# Altium PCB BMS.PcbDoc (part 1 of 2) (continued)
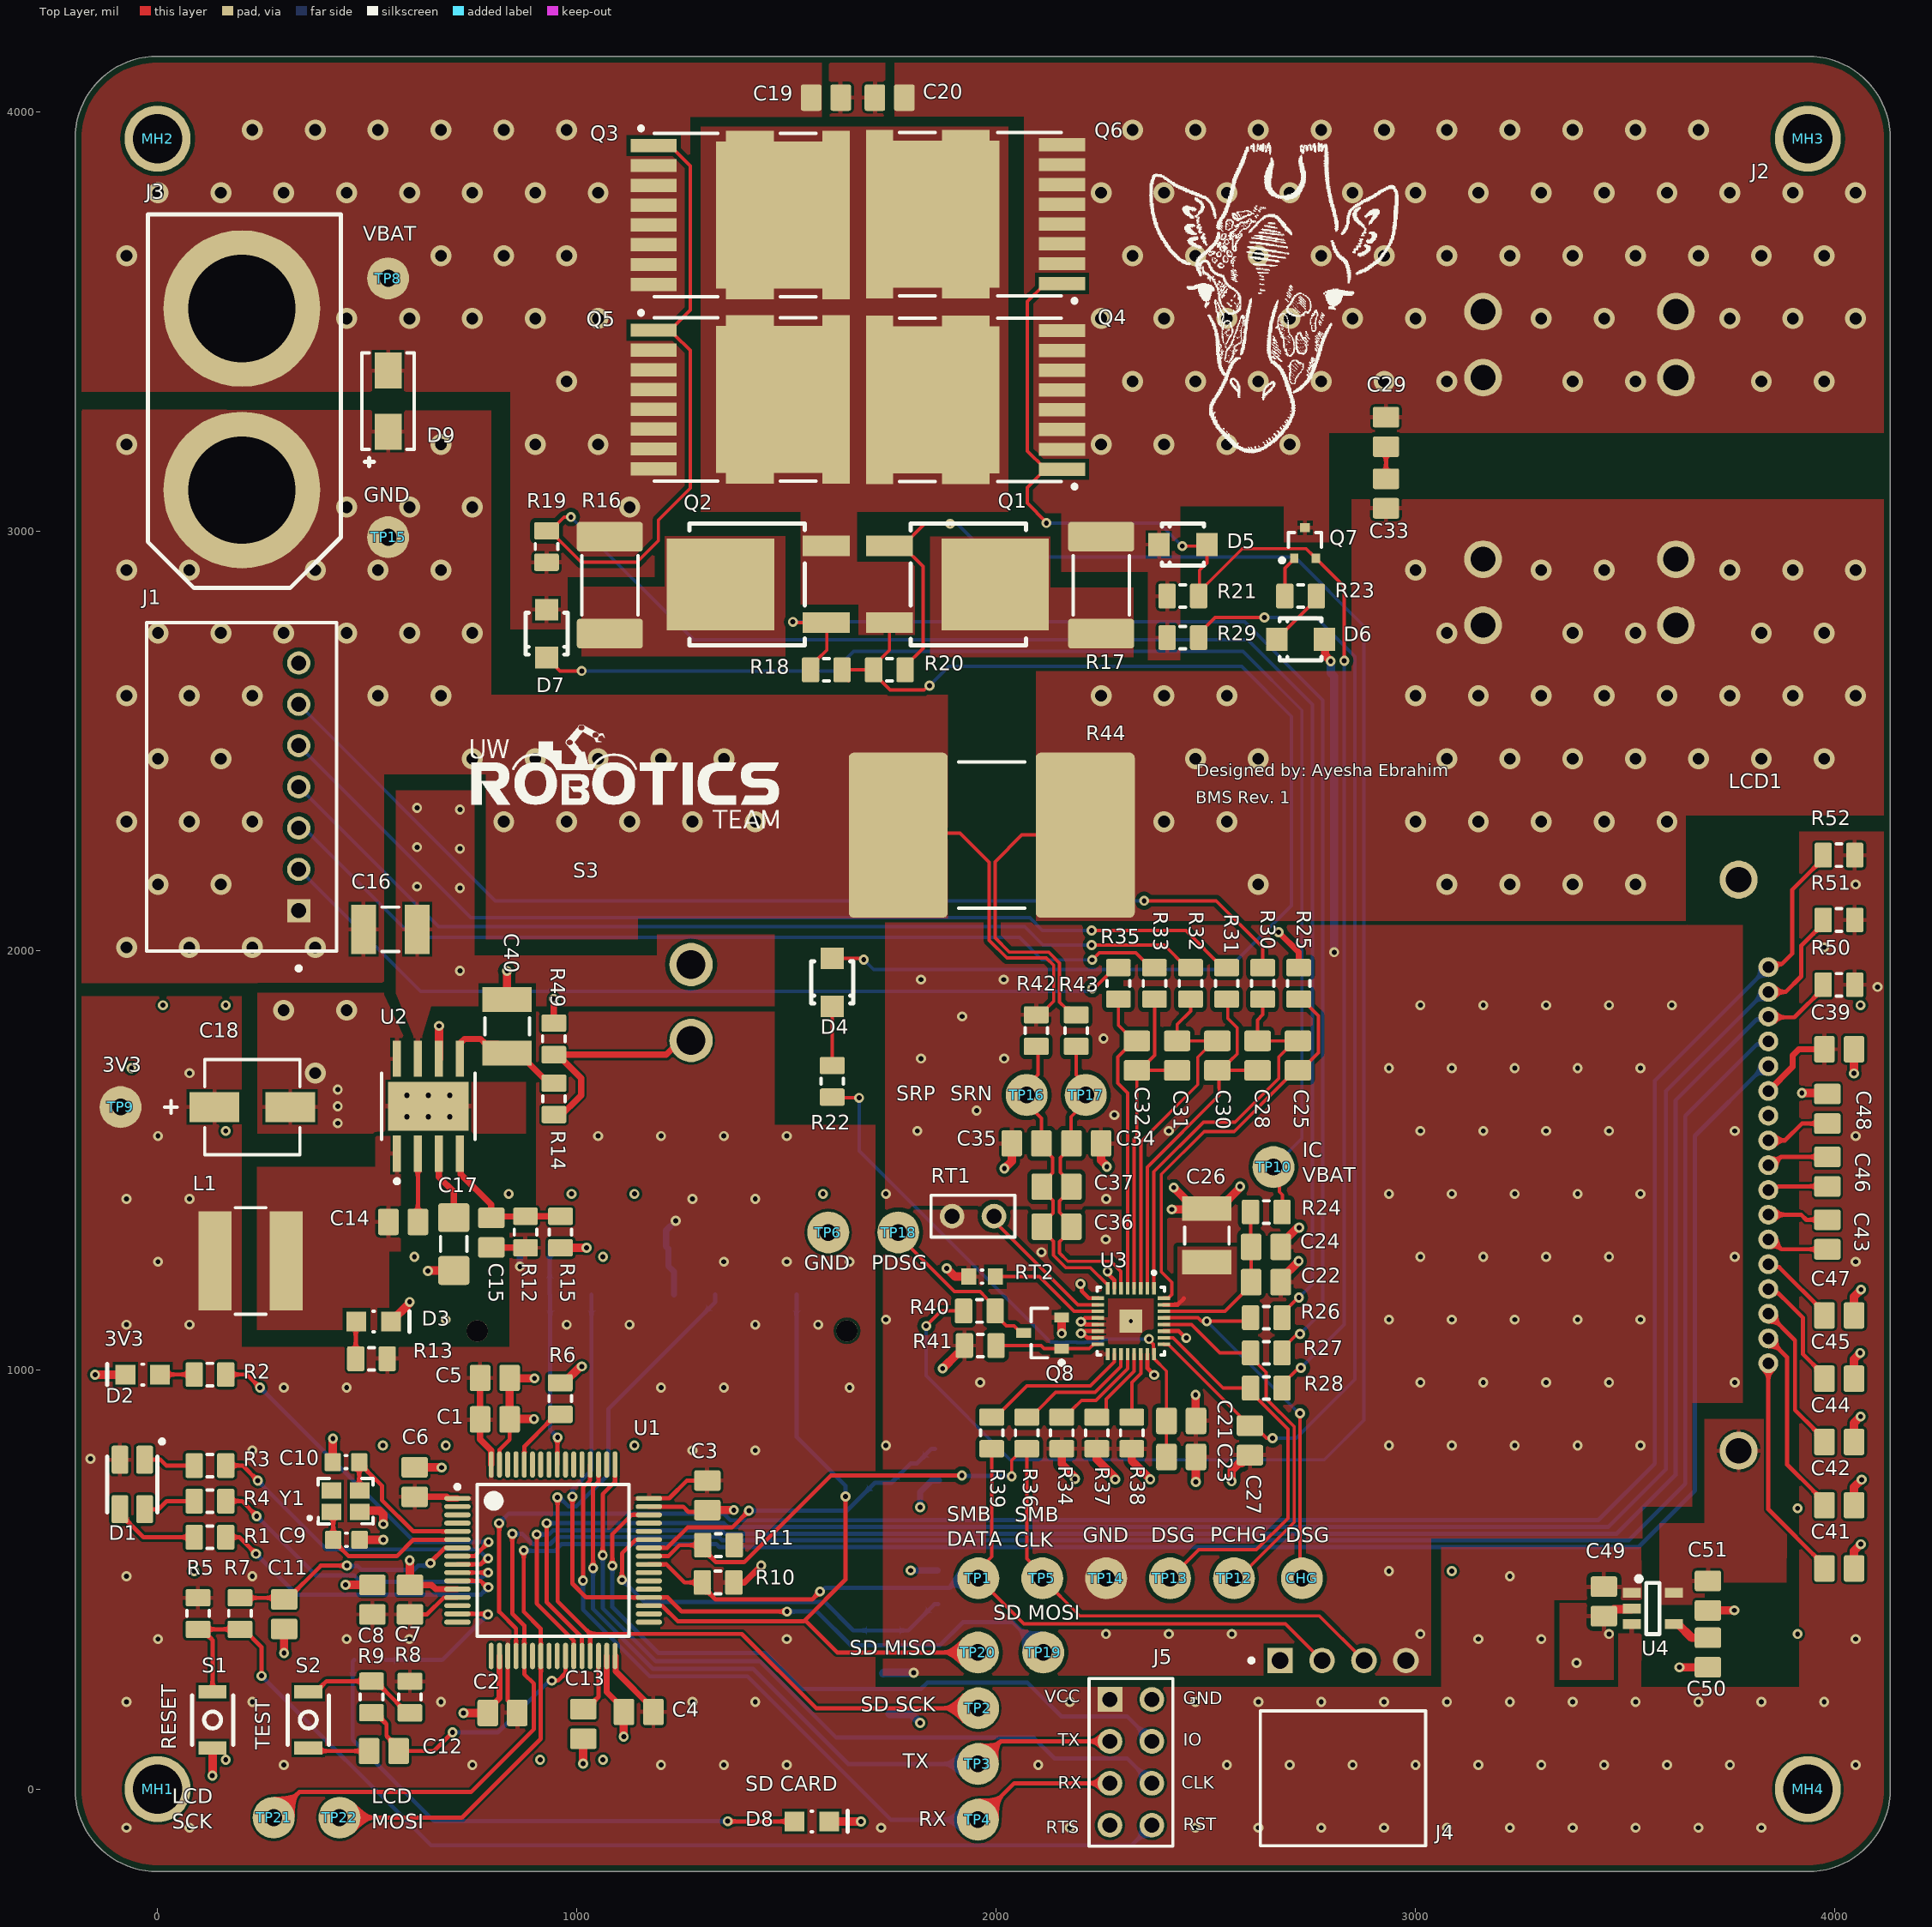
[diagram p0: Top Layer view]
## Part data (continued)
J1: "CONN HEADER XH SIDE 7POS 2.5MM", Color=Natural, Contact Resistance=10mR, Current Rating=3A, Flammability Rating="UL94 V-0", Insulation Resistance=1GR, Manufacturer 1="JST Sales America Inc.", Manufacturer Part Number 1=S7B-XH-A(LF)(SN), Max Operating Temperature=85°C, Min Operating Temperature=-25°C, Package Quantity=250, Supplier Part Number 1=455-2240-ND, Voltage Rating=250V, Category="Headers and Wire Housings", ComponentLink1Description=https://datasheet.ciiva.com/726/exh-726397.pdf?src-supplier=Digi-Key, ComponentLink1URL=https://datasheet.ciiva.com/726/exh-726397.pdf?src-supplier=Digi-Key, ComponentLink2Description=https://datasheet.ciiva.com/8052/5448-8052233.pdf?src-supplier=Element14, ComponentLink2URL=https://datasheet.ciiva.com/8052/5448-8052233.pdf?src-supplier=Element14, ComponentLink3Description=https://datasheet.ciiva.com/16484/exh-16484539.pdf?src-supplier=Future+Electronics, ComponentLink3URL=https://datasheet.ciiva.com/16484/exh-16484539.pdf?src-supplier=Future+Electronics, Connector Type="Header,Male Pin", Contact Material=Brass, Contact Plating=Tin,Lead, Contact Shape=Square, Fastening Type=Detent, Gender=Male, Insulation Color=Natural, Insulation Material=Nylon, Lead Free="Lead Free", Lead Pitch=2.5mm, Mount="Through Hole", Number of Contacts=7, Number of Positions=7, Number of Rows=1, Orientation="Right Angle", Packaging=Bulk, Pitch=2.5mm, Pricing 2="10=1.05000, 100=0.92700, 500=0.83300, 1000=0.81300, 5000=0.74700, 10000=0.69900 (CAD)", REACH SVHC="No SVHC", RoHS=Yes, Supplier 1=Digi-Key, Termination=Solder, Voltage Rating (AC)=250V, Wire/Cable Gauge=22AWG
J2: "CONN TERM BLOCK 2POS 15MM 1-8AWG", Color=Black, Current=115A, Manufacturer 1=Molex, Manufacturer Part Number 1=0399200302, Max Operating Temperature=130°C, Max Supply Voltage (AC)=600V, Min Operating Temperature=-40°C, Supplier Part Number 1=WM20114-ND, Category="Terminal Blocks", ComponentLink1Description=https://datasheet.ciiva.com/6751/399200305-sd-6751818.pdf?src-supplier=Digi-Key, ComponentLink1URL=https://datasheet.ciiva.com/6751/399200305-sd-6751818.pdf?src-supplier=Digi-Key, Contact Material=Copper, Contact Plating=Copper,Tin,Bright, Depth=20.32mm, Housing Color=Black, Housing Material=Polybutylene, Length=32mm, Max Voltage Rating (AC)=600V, Mount="Through Hole", Number of Circuits=2, Number of Contacts=2, Number of Levels=1, Number of Positions Per Level=2, Number of Rows=1, Orientation=Straight, Packaging=Bulk, Pitch=0.591inch, Plating=Brass,Bronze,Tin, Pricing 2="1=9.66000, 10=8.27400, 25=7.89600, 50=7.09800, 100=6.72000, 250=6.09000, 500=5.67000, 1000=5.35500, 5000=5.04000 (USD)", Radiation Hardening=No, RoHS=Yes, Stock 2=268, Supplier 1=Digi-Key, Termination=Solder, Voltage=600V, Wire Gauge (Max)=8AWG, Wire Gauge (Min)=1AWG
J3: "HIGH QUALITY GOLD PLATED XT90 MA", Manufacturer 1=DFRobot, Manufacturer Part Number 1=FIT0588, Supplier Part Number 1=1738-1438-ND, Supplier 1=Digi-Key
J4: "CONN HEADER R/A 4POS 2.54MM", Color=White, Contact Resistance=10mR, Current Rating=4A, Flammability Rating="UL94 V-0", Insulation Resistance=50GR, Manufacturer 1=Molex, Manufacturer Part Number 1=22-05-3041, Max Operating Temperature=75°C, Min Operating Temperature=0°C, Package Quantity=12000, Supplier Part Number 1=WM4302-ND, Voltage Rating=250V, Approvals=UL,CSA, Category="Headers and Wire Housings", ComponentLink1Description=https://datasheet.ciiva.com/7106/1710343-7106224.pdf?src-supplier=Newark, ComponentLink1URL=https://datasheet.ciiva.com/7106/1710343-7106224.pdf?src-supplier=Newark, ComponentLink2Description=https://datasheet.ciiva.com/19462/233453-19462483.pdf?src-supplier=Jameco, ComponentLink2URL=https://datasheet.ciiva.com/19462/233453-19462483.pdf?src-supplier=Jameco, ComponentLink3Description=https://datasheet.ciiva.com/10090/0022053041-pcb-headers-10090549.pdf?src-supplier=Avnet, ComponentLink3URL=https://datasheet.ciiva.com/10090/0022053041-pcb-headers-10090549.pdf?src-supplier=Avnet, ComponentLink4Description=https://datasheet.ciiva.com/5153/0022053041-pcb-headers-158631-5153963.pdf?src-supplier=Mouser, ComponentLink4URL=https://datasheet.ciiva.com/5153/0022053041-pcb-headers-158631-5153963.pdf?src-supplier=Mouser, ComponentLink5Description=https://datasheet.ciiva.com/11746/0900766b80d8f337-11746364.pdf?src-supplier=RSComponents, ComponentLink5URL=https://datasheet.ciiva.com/11746/0900766b80d8f337-11746364.pdf?src-supplier=RSComponents, ComponentLink6Description=https://datasheet.ciiva.com/3933/302090022053041-pcb-headers-3933101.pdf?src-supplier=Arrow, ComponentLink6URL=https://datasheet.ciiva.com/3933/302090022053041-pcb-headers-3933101.pdf?src-supplier=Arrow, ComponentLink7Description=https://datasheet.ciiva.com/19462/1965841-19462350.pdf?src-supplier=Jameco, ComponentLink7URL=https://datasheet.ciiva.com/19462/1965841-19462350.pdf?src-supplier=Jameco, ComponentLink8Description=https://datasheet.ciiva.com/7843/1631486-7843895.pdf?src-supplier=Element14, ComponentLink8URL=https://datasheet.ciiva.com/7843/1631486-7843895.pdf?src-supplier=Element14, ComponentLink9Description=https://datasheet.ciiva.com/16656/0022053041-pcb-headers-16656124.pdf?src-supplier=Avnet+Europe, ComponentLink9URL=https://datasheet.ciiva.com/16656/0022053041-pcb-headers-16656124.pdf?src-supplier=Avnet+Europe, Contact Gender=Male, Contact Material=Brass, Contact Plating=Tin,Copper, Depth=12.83mm, Gender=Male, Glow Wire Compliant=Non-compliant, Halogen Free="Low Halogen", Height=6.35mm, Housing Color=White, Housing Material=Nylon, Lead Free="Lead Free", Length=10.16mm, Max Current Rating=4A, Mount="Through Hole", Number of Circuits=4, Number of Contacts=4, Number of Positions=4, Number of Rows=1, Orientation="Right Angle", Packaging=Bulk, Pitch=2.54mm, Pricing 2="1=0.51000, 10=0.47800, 100=0.36620, 500=0.31840, 1000=0.26268, 5000=0.23084, 10000=0.21492 (USD)", Radiation Hardening=No, REACH SVHC=Unknown, RoHS=Yes, Stock 2=1752, Supplier 1=Digi-Key, Termination="Through Hole", Voltage Rating (DC)=250V
J5: "CONN HEADER VERT 8POS 2.54MM", Manufacturer 1="Harwin Inc.", Manufacturer Part Number 1=M20-9980445, Supplier Part Number 1=952-2122-ND, Mount="Through Hole", Supplier 1=Digi-Key
J6: "12 _9 + 3_ Position Card Connector Secure Digital - SD Surface Mount, Right Angle Gold", Manufacturer 1="Hirose Electric Co Ltd", Manufacturer Part Number 1=DM1AA-SF-PEJ(21), Supplier Part Number 1=HR845CT-ND, Card Type=SD, Mount="Surface Mount", Supplier 1=Digi-Key
L1: library part IND_15uH_1.9A, "FIXED IND 15UH 1.9A 95.8MOHM SMD", Case/Package=Nonstandard, Current Rating=1.9A, DC Resistance (DCR)=95.8mR, Inductance=15uH, Inductance Tolerance=20%, Manufacturer 1="Bourns Inc.", Max Operating Temperature=125°C, Min Operating Temperature=-40°C, Package Quantity=1000, Saturation Current=2.3A, Self Resonant Frequency=13MHz, Supplier Part Number 1=SRN6045-150MCT-ND, Test Frequency=100kHz, Category="Fixed Inductors", ComponentLink1Description=https://datasheet.ciiva.com/5986/1705518-5986195.pdf?src-supplier=Farnell, ComponentLink1URL=https://datasheet.ciiva.com/5986/1705518-5986195.pdf?src-supplier=Farnell, ComponentLink2Description=https://datasheet.ciiva.com/11802/0900766b80fe1f3e-11802573.pdf?src-supplier=RSComponents, ComponentLink2URL=https://datasheet.ciiva.com/11802/0900766b80fe1f3e-11802573.pdf?src-supplier=RSComponents, ComponentLink3Description=https://datasheet.ciiva.com/1056/srn6045-1056107.pdf?src-supplier=Digi-Key, ComponentLink3URL=https://datasheet.ciiva.com/1056/srn6045-1056107.pdf?src-supplier=Digi-Key, ComponentLink4Description=https://datasheet.ciiva.com/8512/srn6045-8512989.pdf?src-supplier=Avnet, ComponentLink4URL=https://datasheet.ciiva.com/8512/srn6045-8512989.pdf?src-supplier=Avnet, ComponentLink5Description=https://datasheet.ciiva.com/17113/70231653-17113165.pdf?src-supplier=Allied+Electronics, ComponentLink5URL=https://datasheet.ciiva.com/17113/70231653-17113165.pdf?src-supplier=Allied+Electronics, ComponentLink6Description=https://datasheet.ciiva.com/17284/srn6045-17284750.pdf?src-supplier=Avnet+Europe, ComponentLink6URL=https://datasheet.ciiva.com/17284/srn6045-17284750.pdf?src-supplier=Avnet+Europe, ComponentLink7Description=https://datasheet.ciiva.com/4954/srn6045-70649-4954231.pdf?src-supplier=Mouser, ComponentLink7URL=https://datasheet.ciiva.com/4954/srn6045-70649-4954231.pdf?src-supplier=Mouser, ComponentLink8Description=https://datasheet.ciiva.com/1056/srn6045-1056106.pdf?src-supplier=Digi-Key, ComponentLink8URL=https://datasheet.ciiva.com/1056/srn6045-1056106.pdf?src-supplier=Digi-Key, ComponentLink9Description=https://datasheet.ciiva.com/1056/srn6045-1056108.pdf?src-supplier=Digi-Key, ComponentLink9URL=https://datasheet.ciiva.com/1056/srn6045-1056108.pdf?src-supplier=Digi-Key, Composition=Wirewound, Core Material=Ferrite, DC Current=1.9A, Depth=6.2mm, Height=4.5mm, Height - Seated (Max)=0.177inch, Length=6mm, Manufacturer Part Number 1=SRN6045-150M, Max DC Current=1.9A, Military Standard=Not, Mount="Surface Mount", Number of Pins=2, Packaging="Tape and Reel", Pricing 1="1=0.60000, 10=0.52300, 100=0.37380, 500=0.31396 (USD)", REACH SVHC="No SVHC", RMS Current (Irms)=1.9A, RoHS=Yes, Shielding=Shielded, Stock 1=16841, Supplier 1=Digi-Key, Termination=SMD/SMT, Tolerance=20%, Weight=0.027725oz, Width=6mm
LCD1: "LCD COG GRAPHIC 128X32", Manufacturer 1="Newhaven Display Intl", Supplier Part Number 1=NHD-C12832A1Z-FSW-FBW-3V3-ND, Manufacturer Part Number 1=NHD-C12832A1Z-FSW-FBW-3V3, Supplier 1=Digi-Key
MH1 MH2 MH3 MH4: "6cm x 6cm"
Q1 Q2: "MOSFET P-CH 40V 40A TO252", Manufacturer 1="Alpha & Omega Semiconductor Inc.", Manufacturer Part Number 1=AOD4189, Power Dissipation (Max)=62.5W, Supplier Device Package="D-PAK (TO-252)", Supplier Part Number 1=785-1351-1-ND, FET Type=P-Channel, Id=40A, Supplier 1=Digi-Key, Vdss=40V, Vgs (Max)=20V
Q3 Q4 Q5 Q6: "MOSFET N-CH 100V 210A POWER56", Manufacturer 1="ON Semiconductor", Manufacturer Part Number 1=FDBL0240N100, Power Dissipation (Max)=300W, Supplier Device Package=8-HPSOF, Supplier Part Number 1=FDBL0240N100CT-ND, FET Type=N-Channel, Id=210A, Supplier 1=Digi-Key, Vdss=100V, Vgs (Max)=20V
Q7: "NMOS N-CH 60V 310mA SOT-323", Manufacturer 1=Nexperia, Manufacturer Part Number 1=2N7002BKW,115, Supplier Part Number 1=1727-4788-1-ND, ComponentLink1Description=https://www.mouser.com/ds/2/302/2N7002BKW-1150600.pdf?src-supplier=Mouser, ComponentLink1URL=https://www.mouser.com/ds/2/302/2N7002BKW-1150600.pdf?src-supplier=Mouser, ComponentLink2Description=http://www.farnell.com/datasheets/1322445.pdf?src-supplier=Farnell, ComponentLink2URL=http://www.farnell.com/datasheets/1322445.pdf?src-supplier=Farnell, ComponentLink3Description=https://assets.nexperia.com/documents/data-sheet/2N7002BKW.pdf?src-supplier=Digi-Key, ComponentLink3URL=https://assets.nexperia.com/documents/data-sheet/2N7002BKW.pdf?src-supplier=Digi-Key, ComponentLink4Description=http://www.farnell.com/datasheets/1322445.pdf?src-supplier=Newark, ComponentLink4URL=http://www.farnell.com/datasheets/1322445.pdf?src-supplier=Newark, Id=310mA, Pricing 1="1=0.36000, 10=0.29600, 25=0.24760, 100=0.12100, 250=0.11908, 500=0.10092, 1000=0.07013 (USD)", RoHS=No, Stock 1=127361, Supplier 1=Digi-Key
Q8: "NMOS N-CH 50V 200mA 1.2V DRIVE SOT-23-3", Manufacturer 1="Rohm Semiconductor", Manufacturer Part Number 1=RUC002N05HZGT116, Supplier Part Number 1=RUC002N05HZGT116CT-ND, Id=200mA, Supplier 1=Digi-Key
R1 R4: "RES SMD 20 OHM 1% 1/8W 0805", Case Code (Imperial)=0805, Case Code (Metric)=2012, Manufacturer 1=Yageo, Manufacturer Part Number 1=RC0805FR-0720RL, Max Operating Temperature=155°C, Min Operating Temperature=-55°C, Power Rating=125mW, Resistance=20, Supplier Part Number 1=311-20.0CRCT-ND, Tolerance=1%, Supplier 1=Digi-Key, Termination=SMD/SMT
R2 R3 R13 R24 R25 R30 R31 R32 R33 R35 R36 R39 R42 R43 R47: "RES SMD 100 OHM 1% 1/8W 0805", Case Code (Imperial)=0805, Case Code (Metric)=2012, Manufacturer 1=Yageo, Manufacturer Part Number 1=RC0805FR-07100RL, Power Rating=125mW, Supplier Part Number 1=311-100CRCT-ND, Mount="Surface Mount", Supplier 1=Digi-Key
R5 R6 R7 R8 R9 R23 R27 R34 R37 R38 R45 R46 R48 R50 R51 R52: "RES SMD 10K OHM 1% 1/8W 0805", Case Code (Imperial)=0805, Case Code (Metric)=2012, Manufacturer 1=Yageo, Manufacturer Part Number 1=RC0805FR-0710KL, Max Operating Temperature=155°C, Min Operating Temperature=-55°C, Power Rating=125mW, Resistance=10K, Supplier Part Number 1=311-10.0KCRCT-ND, Tolerance=1%, Supplier 1=Digi-Key, Termination=SMD/SMT
R10 R11 R26 R28: "RES SMD 1K OHM 1% 1/8W 0805", Case Code (Imperial)=0805, Case Code (Metric)=2012, Manufacturer 1=Yageo, Manufacturer Part Number 1=RC0805FR-071KL, Max Operating Temperature=155°C, Min Operating Temperature=-55°C, Power Rating=125mW, Resistance=1K, Supplier Part Number 1=311-1.00KCRCT-ND, Tolerance=1%, Supplier 1=Digi-Key, Termination=SMD/SMT
R12: "RES SMD 51K OHM 1% 1/8W 0805", Case Code (Imperial)=0805, Case Code (Metric)=2012, Manufacturer 1="Vishay Dale", Manufacturer Part Number 1=CRCW080551K0FKEA, Max Operating Temperature=155°C, Min Operating Temperature=-55°C, Power Rating=125mW, Resistance=51K, Supplier Part Number 1=541-51.0KCCT-ND, Tolerance=1%, Supplier 1=Digi-Key, Termination=SMD/SMT
R14: library part RES_1kΩ_0805, "RES SMD 1K OHM 1% 1/8W 0805", Case Code (Imperial)=0805, Case Code (Metric)=2012, Manufacturer 1=Yageo, Manufacturer Part Number 1=RC0805FR-071KL, Max Operating Temperature=155°C, Max Power Dissipation=125mW, Min Operating Temperature=-55°C, Package="0805 (2012 Metric)", Resistance=1K, Supplier Part Number 1=311-1.00KCRCT-ND, Temperature Coefficient=25ppm/°C, Tolerance=1%, Voltage Rating=150V, Case/Package=0805, Composition="Thin Film", Contact Plating=Tin, Depth=1.25mm, Features="Moisture Resistant,Automotive AEC-Q200,Anti-Sulfur", Height=0.022inch, Length=2mm, Military Standard=Not, Mount="Surface Mount", Number of Pins=2, Number of Terminations=2, Power Rating=125mW, REACH SVHC=Unknown, Supplier 1=Digi-Key, Termination=SMD/SMT, Voltage Rating (DC)=150V, Weight=0.000194oz, Width=0.049inch
R15: "RES SMD 22.1K OHM 1% 1/8W 0805", Case Code (Imperial)=0805, Case Code (Metric)=2012, Manufacturer 1="Vishay Dale", Manufacturer Part Number 1=CRCW080522K1FKEA, Max Operating Temperature=155°C, Min Operating Temperature=-55°C, Power Rating=125mW, Resistance=22.1kΩ, Supplier Part Number 1=541-22.1KCCT-ND, Tolerance=1%, Supplier 1=Digi-Key, Termination=SMD/SMT
R16 R17: "RES 200 OHM 5% 1W 2512", Manufacturer 1="Stackpole Electronics Inc", Manufacturer Part Number 1=RMCF2512JT200R, Package=2512, Supplier Part Number 1=RMCF2512JT200RCT-ND, Tolerance=5%, Dimensions="0.250\" L x 0.125\" W (6.35mm x 3.18mm)", Mount="Surface Mount", Supplier 1=Digi-Key
R18 R19 R20 R21 R40 R41: "RES SMD 10M OHM 5% 1/8W 0805", Case Code (Imperial)=0805, Case Code (Metric)=2012, Manufacturer 1=Yageo, Manufacturer Part Number 1=RC0805JR-0710ML, Package="0805 (2012 Metric)", Supplier Part Number 1=311-10MARCT-ND, Tolerance=5%, Mount="Surface Mount", Supplier 1=Digi-Key
R22: "RES SMD 510 OHM 1% 1/8W 0805", Case Code (Imperial)=0805, Case Code (Metric)=2012, Manufacturer 1=Yageo, Manufacturer Part Number 1=RC0805FR-07510RL, Max Operating Temperature=155°C, Min Operating Temperature=-55°C, Power Rating=125mW, Resistance=510R, Supplier Part Number 1=311-510CRCT-ND, Tolerance=1%, Supplier 1=Digi-Key, Termination=SMD/SMT
R29: "RES SMD 1.1K OHM 1% 1/8W 0805", Case Code (Imperial)=0805, Case Code (Metric)=2012, Manufacturer 1=Yageo, Manufacturer Part Number 1=RC0805FR-071K1L, Max Operating Temperature=155°C, Min Operating Temperature=-55°C, Power Rating=125mW, Resistance=1K1, Supplier Part Number 1=311-1.10KCRCT-ND, Tolerance=1%, Mount="Surface Mount", Supplier 1=Digi-Key, Termination=SMD/SMT
R44: "RES 0.001 OHM 1% 10W 5931", Manufacturer 1="Vishay Dale", Manufacturer Part Number 1=WSLP59311L000FEA, Package=5931, Supplier Part Number 1=541-10012-1-ND, Tolerance=1%, Dimensions="0.591\" L x 0.305\" W (15.00mm x 7.75mm)", Mount="Surface Mount", Supplier 1=Digi-Key
R49: "RES SMD 10K OHM 1% 1/8W 0805", Case Code (Imperial)=0805, Case Code (Metric)=2012, Manufacturer 1=Yageo, Manufacturer Part Number 1=RC0805FR-0710KL, Max Operating Temperature=155°C, Min Operating Temperature=-55°C, Package="0805 (2012 Metric)", Power Rating=125mW, Resistance=10K, Supplier Part Number 1=311-10.0KCRCT-ND, Tolerance=1%, Supplier 1=Digi-Key, Termination=SMD/SMT
RT1: "THERMISTOR NTC 10KOHM 3380K BEAD", Case/Package=Radial, Current Rating=120uA, Manufacturer 1=Murata, Manufacturer Part Number 1=NXFT15XH103FA2B100, Max Operating Temperature=125°C, Max Power Dissipation=100mW, Min Operating Temperature=-40°C, Package Quantity=1000, Power Rating=7.5mW, Resistance=10k, Supplier Part Number 1=490-5630-ND, Tolerance=1%, Category="Interface ICs", ComponentLink1Description=https://datasheet.ciiva.com/2849/r44e-2849356.pdf?src-supplier=Digi-Key, ComponentLink1URL=https://datasheet.ciiva.com/2849/r44e-2849356.pdf?src-supplier=Digi-Key, ComponentLink2Description=https://datasheet.ciiva.com/3282/r44e-3282445.pdf?src-supplier=Avnet, ComponentLink2URL=https://datasheet.ciiva.com/3282/r44e-3282445.pdf?src-supplier=Avnet, Lead Diameter=0.3mm, Mount="Free Hanging,Through Hole", Number of Pins=2, Packaging=Bulk, Pricing 1="1=0.91000, 5=0.86400, 10=0.75200, 25=0.66080, 50=0.54900, 100=0.46760, 500=0.40660, 1000=0.35578, 5000=0.31512 (USD)", RoHS=Yes, Stock 1=19053, Supplier 1=Digi-Key, Termination=Wire
RT2: "THERMISTOR NTC 10K 1% OHM 0603", Case Code (Imperial)=0603, Case Code (Metric)=1608, Manufacturer 1=TDK, Manufacturer Part Number 1=NTCG163JF103FT1, Max Operating Temperature=125°C, Min Operating Temperature=-40°C, Package Quantity=4000, Resistance=10k, Supplier Part Number 1=445-2554-1-ND, Tolerance=1%, Accuracy=1%, Case/Package=0603, ComponentLink1Description=https://datasheet.ciiva.com/11822/0900766b80feea16-11822415.pdf?src-supplier=RSComponents, ComponentLink1URL=https://datasheet.ciiva.com/11822/0900766b80feea16-11822415.pdf?src-supplier=RSComponents, ComponentLink2Description=https://datasheet.ciiva.com/2848/ntcg163jf103ft1-web-2848612.pdf?src-supplier=Digi-Key, ComponentLink2URL=https://datasheet.ciiva.com/2848/ntcg163jf103ft1-web-2848612.pdf?src-supplier=Digi-Key, ComponentLink3Description=https://datasheet.ciiva.com/2848/ntcg163jf103ft1-web-2848610.pdf?src-supplier=Digi-Key, ComponentLink3URL=https://datasheet.ciiva.com/2848/ntcg163jf103ft1-web-2848610.pdf?src-supplier=Digi-Key, ComponentLink4Description=https://datasheet.ciiva.com/2848/ntcg163jf103ft1-web-2848611.pdf?src-supplier=Digi-Key, ComponentLink4URL=https://datasheet.ciiva.com/2848/ntcg163jf103ft1-web-2848611.pdf?src-supplier=Digi-Key, Depth=0.8mm, Height=0.8mm, Lead Free="Lead Free", Length=1.6mm, Mount="Surface Mount", Number of Pins=2, Packaging="Tape and Reel", Pricing 1="1=0.25000, 5=0.23600, 10=0.20900, 25=0.19240, 50=0.15400, 100=0.13200, 500=0.11550, 1000=0.09900 (USD)", Radiation Hardening=No, RoHS=Yes, Stock 1=94107, Supplier 1=Digi-Key
S1 S2: "Tactile Switch (Grey)", Manufacturer 1="Omron Electronics Inc-EMC Div", Manufacturer Part Number 1=B3U-1000P, Supplier Part Number 1=SW1020CT-ND, Mount="Surface Mount", Supplier 1=Digi-Key
S3: "SWITCH SLIDE SPST 500mA (DC) 8.5A (AC) 125V", Current Rating=500mA, Manufacturer 1="CW Industries", Supplier Part Number 1=CWI333-ND, Voltage Rating=125V, Manufacturer Part Number 1=GF-123-0054, Supplier 1=Digi-Key
U1: library part MCU_STM32F446RET6, "ARM Cortex-M4 32-bit MCU+FPU, 512 KB Flash, 128 KB Internal RAM, 50 I/Os, 64-Pin LQFP, -40 to 85 degC, Tray", I/Os (High Current)=50, Operating Frequency(F) (Processor speed) (MHz)=180, Package Description=LQFP64, Package Reference="64-Pin Low-profile Quad Flat Package, Body 10 x 10 mm, Pitch 0.5 mm", Supplier Part Number 1=497-15376-ND, Supply Voltage(Vcc) min (V)=1.7, ComponentLink1Description="Manufacturer URL", ComponentLink1URL=http://www.st.com/, ComponentLink2Description=Datasheet, ComponentLink2URL=http://www.st.com/st-web-ui/static/active/en/resource/technical/document/datasheet/DM00141306.pdf, Core="ARM Cortex-M4", D/A Converter=2, DatasheetVersion="Rev. 6", FLASH Size (Prog) (kB)=512, Internal RAM Size (kB)=128, Mounting Technology="Surface Mount", Packing=Tray, Supplier 1=Digi-Key
U2: library part BUCK_1-28VOUT_1A, "IC REG BUCK ADJUSTABLE 1A 8SOPWR", Manufacturer 1="Texas Instruments", Max Junction Temp=+125°C, Max Supply Voltage=36V, Min Supply Voltage=4V, Nominal Supply Current=75uA, Output Current=1A, Output Voltage=1-28V, Package=DDA0008E, Supplier Part Number 1=296-47267-1-ND, Switching Frequency=400kHz, Temperature="-40°C to +125°C", Temperature Range Low=-40°C, Automotive=No, Category=IC, ComponentLink2Description=Datasheet, ComponentLink2URL=http://www.ti.com/lit/ds/symlink/lmr23610.pdf, Device Class L1="Integrated Circuits (ICs)", Device Class L2="Power Management ICs", Device Class L3="Voltage Regulators - Switching", Digikey Description="IC REG BUCK ADJUSTABLE 1A 8SOPWR", Height=1.7mm, Lead Free=Yes, Manufacturer Part Number 1=LMR23610ADDAR, Max Duty Cycle=97%, Number Of Outputs=1, Octopart=https://octopart.com/lmr23610addar-texas+instruments-68058948, Output Type=AdjustableProgrammable, RoHS=TRUE, Standoff Height=0mm, Supplier 1=Digi-Key, Switching Topology=Buck, Temperature Range High=+125°C
U3: library part BATT_MANAGER, "POWER MANAGEMENT IC: Battery Multi-Function Controller IC Lithium Ion/Polymer 32-VQFN (4x4)", Manufacturer 1="Texas Instruments", Supplier Part Number 1=296-BQ40Z80RSMTCT-ND, Manufacturer Part Number 1=BQ40Z80RSMT, SnapEDA_Link=https://www.snapeda.com/parts/BQ40Z80RSMT/Texas%20Instruments/view-part/2782044/?ref=snap, Supplier 1=Digi-Key
U4: "IC REG LINEAR 3V 150MA SOT23-5", Current Output=150mA, Manufacturer 1="Texas Instruments", Supplier Part Number 1=LP3985IM5-3.0/NOPBTR-ND, Manufacturer Part Number 1=LP3985IM5-3.0/NOPB, Mount="Surface Mount", Supplier 1=Digi-Key
Y1: "CRYSTAL 25.0000MHZ 12PF SMD", Case/Package=SMD/SMT, ESR (Equivalent Series Resistance)=80R, Frequency=25MHz, Frequency Stability=15ppm, Frequency Tolerance=10ppm, Load Capacitance=12pF, Manufacturer 1="Kyocera AVX", Manufacturer Part Number 1=CX2520DB25000H0FLJC1, Max Operating Temperature=85°C, Min Operating Temperature=-30°C, Ratings=AEC-Q200, Supplier Part Number 1=1253-1724-1-ND, ComponentLink1Description=https://media.digikey.com/pdf/Data%20Sheets/AVX%20PDFs/CX2520DB_USY1M-H1-16429-00_Spec.pdf?src-supplier=Digi-Key, ComponentLink1URL=https://media.digikey.com/pdf/Data%20Sheets/AVX%20PDFs/CX2520DB_USY1M-H1-16429-00_Spec.pdf?src-supplier=Digi-Key, Height=0.022inch, Length=0.098inch, Mount="Surface Mount", Packaging="Tape and Reel", Pricing 1="1=0.72000, 10=0.63300, 50=0.59120, 100=0.52250, 500=0.49500, 1000=0.41250 (USD)", RoHS=Yes, Stock 1=11741, Supplier 1=Digi-Key, Width=0.079inch

## Via types
v1: diameter 24, hole 12, Top Layer to Bottom Layer, tented both sides, 309 vias
v2: diameter 50, hole 28, Top Layer to Bottom Layer, tented both sides, 175 vias
v3: diameter 24.8, hole 12.99, Top Layer to Bottom Layer, 6 vias

## Nets (pads, with @x,y where several pads share a name; then routed paths per layer and width w, separated by ;. In a path a pad name is that pad's centre, name@x,y a point inside that pad or via, vN(x,y) a via of type N, cw(c..) or ccw(c..) an arc to the next point about the centre after c; other vN are vias at no path point)
3V: C51.2 LCD1.A U4.5
3V3: C1.2 C2.2 C3.2 C4.2 C5.2 C6.2 C7.2 C8.2 C15.1 C18.1 C38.2 C39.1 C49.2 D1.4 J5.1 J6.4 L1.1 LCD1.12 R5.2 R8.2 R10.2 R11.2 R12.2 R13.2 R45.2 R46.2 R48.2 R50.2 R51.2 R52.2 TP9.1 U1.1 U1.13 U1.19 U1.32 U1.48 U1.64 U4.1 U4.3 | length 1686.6
  Top Layer w10: C7.2@602.05,416.72 602.14,416.8 642.69,416.8 682.93,457.04 714.95,457.04 U1.13@715.3,457.39 ; U1.19@835.38,317.62 835.38,211.35 858.12,188.61 C2.2@858.12,181.72 ; U1.48@1171.99,693.92 1220.71,693.92 1263,736.2 C3.2@1311.65,736.2
  Top Layer w15: C6.2@613.25,697.36 689.14,697.36 692.9,693.61 U1.1@715.3,693.61 ; C5.2@770.79,982.38 C5.2@769.38,980.97 C1.2@769.38,881.97 769.38,834.63 796.01,808 U1.64@796.01,774.32 ; C15.1@796.25,1292.18 796.64,1291.79 877.35,1291.79 R12.2@877.74,1291.39 ; U1.32@1092.88,317.62 1092.88,280.97 1182.94,190.91 C4.2@1182.94,184.02 ; R10.2@1374.84,492.97 1399.78,492.97 v1(1440,533.19) ; LCD1.12@3842.68,1665.55 3900.6,1723.47 3900.6,1750.31 3915.29,1765 C39.1@3976.76,1765
  Bottom Layer w15: R48.2@859.99,1300.01 R48.2@860.3,1299.7 864.4,1295.6 v1(864.4,1246.61) ; J6.4@1232.03,1179.72 1232.03,1234.27 1218.89,1247.41 1218.89,1288.64 C38.2@1213.04,1294.5 1213.04,1332.64 v1(1236.1,1355.7) ; v1(1796.73,521.79) 1797.12,521.4 R45.2@1860.8,521.4 ; v1(1819.2,672.4) 1819.2,709.16 1846.64,736.6 R46.2@1855.5,736.6 R46.2@1863.4,736.6
  other v1: -74,-92 76,-92 1726,-92 2176,-92 2476,-92 2626,-92 2776,-92 2926,-92 3076,-92 3226,-92 3376,-92 3526,-92 3676,-92 3826,-92 301,58 751,58 1201,58 1351,58 1501,58 2101,58 2551,58 2701,58 2851,58 3001,58 3151,58 3301,58 3451,58 3601,58 3751,58 4051,58 -74,208 226,208 676,208 1276,208 1426,208 2176,208 2476,208 2626,208 2776,208 2926,208 3076,208 3226,208 3376,208 3526,208 3676,208 3826,208 3976,208 1,358 451,358 601,358 1501,358 3151,358 3301,358 4051,358 -74,508 226,508 3226,508 -160.3,788 226,808 1276,808 1426,808 301,958 451,958 1201,958 1351,958 1651,958 -74,1108 76,1108 976,1108 1126,1108 1426,1108 1576,1108 1,1258 1351,1258 1501,1258 1651,1258 4051,1258 -74,1408 76,1408 1276,1408 1426,1408 1,1558 1051,1558 1201,1558 1351,1558 1501,1558 4051,1558 76,1708 4103.1,1913.6 3976,2008 4051,2158
3V3_FB: C15.2 R12.1 R15.2 U2.4 | length 351.1
  Top Layer w15: U2.4@721,1516 723.34,1513.66 723.34,1467.07 795.7,1394.71 795.7,1363.2 C15.2@796.25,1362.65 799.79,1366.2 877.35,1366.2 R12.1@877.74,1366.59 R15.2@961.2,1366.59
3V3_SW: C14.1 L1.2 U2.1
CELL_1S: J1.2 R35.1 | length 2103.3
  Top Layer w8: v1(2229.6,1910.4) 2234.12,1910.4 2283.43,1959.72 R35.1@2292.29,1959.72
  Bottom Layer w8: J1.2@336.69,2194.15 627.84,1903 931.71,1903 936.01,1907.3 954.23,1907.3 958.53,1903 2217.87,1903 2225.27,1910.4 v1(2229.6,1910.4)
CELL_2S: J1.3 R33.1 | length 2193.6
  Top Layer w8: v1(2229.6,1978.3) 2246.6,1995.3 2333.87,1995.3 2369.45,1959.72 R33.1@2378.29,1959.72
  Bottom Layer w8: J1.3@336.69,2292.57 349.53,2292.57 610.5,2031.6 2056.5,2031.6 2109.8,1978.3 v1(2229.6,1978.3)
CELL_3S: J1.4 R32.1 | length 2306.2
  Top Layer w8: v1(2228.3,2013.5) 2401.65,2013.5 2455.43,1959.72 R32.1@2464.29,1959.72
  Bottom Layer w8: J1.4@336.69,2391 670.49,2057.2 2068.5,2057.2 2112.2,2013.5 v1(2228.3,2013.5)
CELL_4S: J1.5 R31.1 | length 2433
  Top Layer w8: v1(2228.3,2048.3) 2434.05,2048.3 2434.25,2048.1 2453.05,2048.1 2541.43,1959.72 R31.1@2550.29,1959.72
  Bottom Layer w8: J1.5@336.69,2489.43 747.51,2078.6 2080.7,2078.6 2111,2048.3 v1(2228.3,2048.3)
CELL_5S: J1.6 R30.1 | length 2588.3
  Top Layer w8: v1(2353.6,2119.2) 2525.5,2119.2 2636.29,2008.41 R30.1@2636.29,1959.72
  Bottom Layer w8: J1.6@336.69,2587.85 805.34,2119.2 v1(2353.6,2119.2)
CHG: CHG.1 R26.1 U3.29 | length 923
  Top Layer w8: U3.29@2400.45,1124.07 2400.98,1124.6 2481.75,1124.6 2490.15,1116.2 v1(2503.04,1116.2) 2598.99,1116.2 R26.1@2607.45,1124.65 ; v1(2725.6,896.4) 2725.6,507.4 CHG.1@2730,503
  Bottom Layer w8: v1(2503.04,1116.2) 2722.84,896.4 v1(2725.6,896.4)